# Altium PCB MPPT-old.PcbDoc (continued)
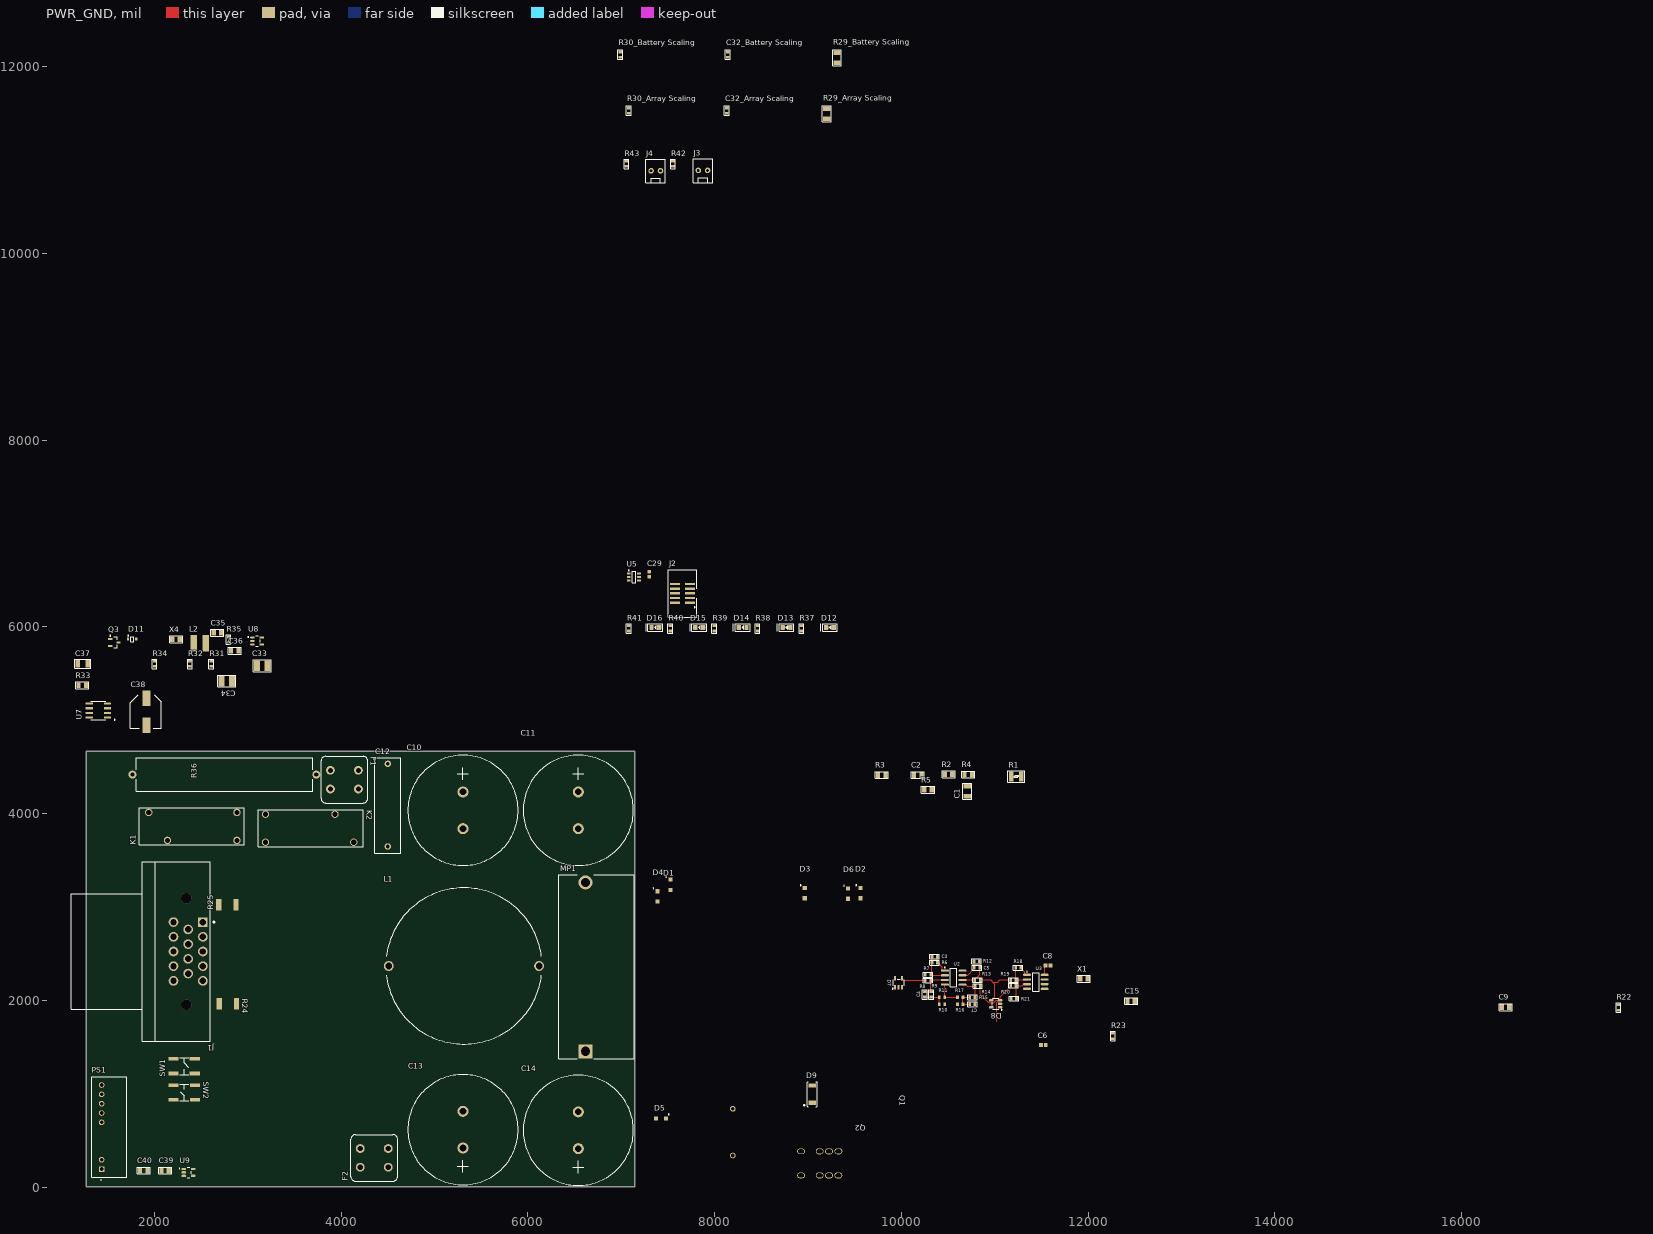
[diagram p0: PWR_GND view]
## Footprints (in the part's own frame and the unit in brackets; to place one, negate y for a bottom-side part, rotate by r counter-clockwise, add the part's x,y. Pads: shape width x height; smd on the part's side, far side on the other; paste and mask are expansions set on the pad)
381LR681M200J032-Footprint-1 [mm]
  round 3 hole 1.8: 1(0,0) 2(10,0)
  silkscreen extent -10,-15 20,15, body extent -10.5,-15.5 20.5,15.5, height 32.1
0603_CAPACITOR [mm] "0603 Capacitor"
  rect 0.7x1 smd: 1(-0.7,0) 2(0.7,0)
  silkscreen extent -1.27,-0.64 1.27,0.64, body extent -0.8,-0.4 0.8,0.4, height 0.3
0603_RESISTOR [mm] "0603 RESISTOR"
  rect 0.7x1 smd: 1(-0.7,0) 2(0.7,0)
  silkscreen extent -1.27,-0.64 1.27,0.64, body extent -0.8,-0.4 0.8,0.4, height 0.3
684MMR400K-Footprint-1 [mm]
  round 1.75 hole 1: 1(0,0) 2(22.5,0)
  silkscreen extent -1.8,-3.5 24.2,3.5, body extent -1.78,-3.56 24.13,3.56, height 16
0805_Capacitor [mil] "0805 Capacitor"
  rect 45x60 smd: 1(-40,0) 2(40,0)
  silkscreen extent -70,-37 70,37, body extent -39,-25 39,25, height 30
0805_LED_Blue [mm] "Chip Capacitor; Body 2.0 x 1.2 mm (LxW typ)"
  rrect25% 1.2x1.3 smd: 1(1.05,0) 2(-1.05,0)
  silkscreen extent -2.5,-1 2,1, body extent -1.02,-0.64 0.99,0.61, height 0.79
0805_LED_Green [mm] "Chip Capacitor; Body 2.0 x 1.2 mm (LxW typ)"
  rrect25% 1.2x1.3 smd: 1(1.05,0) 2(-1.05,0)
  silkscreen extent -2.5,-1 2,1, body extent -1.02,-0.64 0.99,0.61, height 0.79
0805_LED_Red [mm] "Chip Capacitor; Body 2.0 x 1.2 mm (LxW typ)"
  rrect25% 1.2x1.3 smd: 1(1.05,0) 2(-1.05,0)
  silkscreen extent -2.5,-1 2,1, body extent -1.02,-0.64 0.99,0.61, height 0.79
0805_LED_Yellow [mm] "Chip Capacitor; Body 2.0 x 1.2 mm (LxW typ)"
  rrect25% 1.2x1.3 smd: 1(1.05,0) 2(-1.05,0)
  silkscreen extent -2.5,-1 2,1, body extent -1.02,-0.64 0.99,0.61, height 0.79
0805_Resistor [mil] "0805 Resistor"
  rect 45x60 smd: 1(-40,0) 2(40,0)
  silkscreen extent -70,-37 70,37, body extent -39,-25 39,25, height 31
1206_CAPACITOR [mm] "1206 Resistor/Capacitor"
  rect 1.25x2 smd: 1(-1.375,0) 2(1.375,0)
  silkscreen extent -2.2,-1.2 2.2,1.2, body extent -1.6,-0.8 1.6,0.8, height 1
1206_RESISTOR [mm] "1206 Resistor"
  rect 1.25x2 smd: 1(-1.375,0) 2(1.375,0)
  silkscreen extent -2.2,-1.2 2.2,1.2, body extent -1.6,-0.8 1.6,0.8, height 1
1210_Capacitor [mil] "1210 Capacitor"
  rect 65x110 smd: 1(-55,0) 2(55,0)
  silkscreen extent -95,-62 95,62, body extent -84,-54 82,52, height 36
1210_Resistor [mm] "1210 Resistor"
  rrect25% 1.25x2.8 smd: 1(-1.397,0) 2(1.397,0)
  silkscreen extent -2.29,-1.57 2.29,1.57, body extent -1.55,-1.3 1.55,1.3, height 0.47
3221-10-0300-00-Footprint-1 [mm]
  rect 0.65x2.76 smd: 1(0,0) 2(0,4.04) 3(1.27,0) 4(1.27,4.04) 5(2.54,0) 6(2.54,4.04) 7(3.81,0) 8(3.81,4.04) 9(5.08,0) 10(5.08,4.04)
  silkscreen extent -3.94,-1.91 9.02,5.84, body extent -3.78,-0.73 8.86,4.77, height 5.63
640454-2 [mil]
  round 60 hole 30: 1(-50,0) 2(50,0)
  silkscreen extent -105,-130 104,122, body extent -100,-128 100,122, height 421
A768KE227M1DLAS029-Footprint-1 [mm]
  rect 4.2x2.2 smd: 1(7.3,0) 2(0,0)
  silkscreen extent -0.89,-4.06 8.25,4.45, body extent -0.92,-4.06 8.28,4.44, height 7
ABLS-8.000MHZ-K4T-Footprint-1 [mil]
  rect 220x83 smd: 1(0,0) 2(374,0)
  silkscreen extent -48,-105 422,105, body extent -63,-92 437,92, height 160
ADI-R-8_N [mm] "SOIC, 8-Leads, Body 4.9x3.9mm, Pitch 1.27mm, IPC Medium Density"
  oval 2.2x0.6 smd: 1(-2.4,1.905) 2(-2.4,0.635) 3(-2.4,-0.635) 4(-2.4,-1.905) 5(2.4,-1.905) 6(2.4,-0.635) 7(2.4,0.635) 8(2.4,1.905)
  silkscreen extent -2.52,-2.5 0.9,2.88, body extent -2,-2.5 2,2.5, height 1.75
CAPC1608X90X40ML10T20 [mm] "Chip Capacitor, 2-Leads, Body 1.70x0.90mm, IPC Low Density"
  rect 1.05x1.05 smd: 1(-0.675,0) 2(0.675,0)
  body extent -0.85,-0.45 0.85,0.45, height 0.9
CONV_PRQ3W-Q48-D55-S [mm]
  rect 1.508x1.508 hole 1: 1(-11.45,2.05)
  round 1.508 hole 1: 2(-8.91,2.05) 6(1.25,2.05) 7(3.79,2.05) 8(6.33,2.05) 9(8.87,2.05) 10(11.41,2.05)
  silkscreen extent -14.5,-4.75 13.7,4.75
ESDA6V1-5SC6Y [mm] "SOT23, 6-Leads, Body 2.93x2.80mm, Pitch 0.95mm, IPC Medium Density"
  rect 1x0.6 smd: 1(-1.375,0.95) 2(-1.375,0) 3(-1.375,-0.95) 4(1.375,-0.95) 5(1.375,0) 6(1.375,0.95)
  silkscreen extent -1.5,-1.55 0.5,1.92, body extent -1.5,-1.53 1.5,1.53, height 1.45
F_FPG4 [mm] "Schurter FPG4 Fuse Holder"
  round 2.4 hole 1.4: 1(-2.54,3.81) 1(2.54,3.81) 2(-2.54,-3.81) 2(2.54,-3.81)
  silkscreen extent -6.35,-6.35 6.35,6.35, body extent -6.25,-6.25 6.25,6.25, height 32.61
FP-C247-050-2AE-MFG [mm]
  rect 3.8x3.8 hole 2.5 paste-1000 mask+0: 1(-22.97,2.995)
  round 3.8 hole 2.5 paste-1000 mask+0: 2(22.97,2.995)
  silkscreen extent -25,-10.24 25,10.24, body extent -25.1,-10.34 25.1,10.34, height 0.25
FP-RI-16-2-IPC_C [mil]
  rect 75.73x20.74 smd paste+0 mask+0: 1(-175.82,175)
  rrect100% 75.73x20.74 smd paste+0 mask+0: 2(-175.82,125) 3(-175.82,75) 4(-175.82,25) 5(-175.82,-25) 6(-175.82,-75) 7(-175.82,-125) 8(-175.82,-175) 9(175.82,-175) 10(175.82,-125) 11(175.82,-75) 12(175.82,-25) 13(175.82,25) 14(175.82,75) 15(175.82,125) 16(175.82,175)
  silkscreen extent -238,-252 118,252
IND_ATCA-08-471M-H [mm]
  round 2.7 hole 1.8: 1(-20.45,0) 2(20.45,0)
  silkscreen extent -21.09,-21.25 21.09,21.25, body extent -21.25,-21.25 21.25,21.25, height 21.5
J117F1AS12VDC-Footprint-1 [mm]
  round 2 hole 1.4: 1(0,7.62) 2(0,0) 3(23.98,0) 4(18.9,7.62)
  silkscreen extent -2,-1.25 26.62,8.87, body extent -1.99,-1.26 26.61,8.84, height 12.65
ONSC-SOD-323-2-477-02_V [mm] "SOD, 2-Leads, Body 1.7x1.25mm"
  rect 0.63x0.83 smd: 1(-1.115,0) 2(1.115,0)
  silkscreen extent -1.24,-0.67 0.4,1.09, body extent -0.85,-0.63 0.85,0.63, height 1.06
PMEG4010ER,115-Footprint-1 [mm]
  rect 1.1x1.1 smd: 1(2.8,0) 2(0,0)
  silkscreen extent 3.43,1.02 3.68,1.27, body extent -0.35,-1.09 3.15,0.91, height 1.05
R_Res_Axial_SQP_THRU [mm]
  round 2.2 hole 1.2: 1(-25,0) 2(25,0)
  silkscreen extent -24,-4.5 24,4.5, body extent -24.9,-4.5 24.9,4.5, height 10.55
RESC1608X55X25ML10T15 [mm] "Chip Resistor, 2-Leads, Body 1.70x0.90mm, IPC Low Density"
  rect 0.8x1 smd: 1(-0.75,0) 2(0.75,0)
  body extent -0.85,-0.45 0.85,0.45, height 0.55
SMB6F170AY-Footprint-1 [mm]
  rect 1.2x2.07 smd: 1(0,0) 2(4.64,0)
  silkscreen extent -1.14,-1.4 5.71,2.34, body extent 0.7,-1.13 3.94,1.13, height 1.1
SOIC127P600X175-8N [mm]
  rrect25% 1.97x0.59 smd: 1(-2.475,1.905) 2(-2.475,0.635) 3(-2.475,-0.635) 4(-2.475,-1.905) 5(2.475,-1.905) 6(2.475,-0.635) 7(2.475,0.635) 8(2.475,1.905)
  silkscreen extent -4.54,-2.52 2,2.59
SOIC127P1030X265-16N [mm] "SOIC, 16-Leads, Body 10.30x7.50mm, Pitch 1.27mm, IPC Medium Density"
  oval 1.9x0.6 smd: 1(-4.75,4.445) 2(-4.75,3.175) 3(-4.75,1.905) 4(-4.75,0.635) 5(-4.75,-0.635) 6(-4.75,-1.905) 7(-4.75,-3.175) 8(-4.75,-4.445) 9(4.75,-4.445) 10(4.75,-3.175) 11(4.75,-1.905) 12(4.75,-0.635) 13(4.75,0.635) 14(4.75,1.905) 15(4.75,3.175) 16(4.75,4.445)
  silkscreen extent -4.87,-5.25 3.4,5.42, body extent -5.16,-5.25 5.16,5.25, height 2.65
SOT23-3 [mm] "SOT23, 3-Leads, Body 3.0x2.7mm (max), Pitch 0.95mm, IPC Medium Density"
  rrect50% 1.4x0.6 smd: 1(-1.05,0.95) 2(-1.05,-0.95) 3(1.05,0)
  silkscreen extent -1.22,-1.5 0.76,1.73, body extent -1.21,-1.1 0.99,1.1, height 1.1
SOT23-5 [mm] "SOT23-5 (SOT-25) 0.95mm pitch, 5 pins"
  rrect50% 1.2x0.6 smd: 1(-1.2,0.95) 2(-1.2,0) 3(-1.2,-0.95) 4(1.2,-0.95) 5(1.2,0.95)
  silkscreen extent -1.72,-1.5 0.9,1.72, body extent -1.25,-1.5 1.25,1.5, height 1.11
SOT95P280X145-5N [mm]
  rrect50% 1.21x0.59 smd: 1(-1.255,0.95) 2(-1.255,0) 3(-1.255,-0.95) 4(1.255,-0.95) 5(1.255,0.95)
  silkscreen extent -2.51,-1.45 0.8,1.45
SOT-23_N [mm] "SOT23, 3-Leads, Body 2.9x1.3mm, Pitch 0.95mm, Lead Span 2.3mm, IPC Medium Density"
  rect 1.15x0.6 smd: 1(-1.125,0.95) 2(-1.125,-0.95) 3(1.125,0)
  silkscreen extent -1.25,-1.5 0.7,1.92, body extent -0.7,-1.5 0.7,1.5, height 1.11
"T_TO_247_4L_UNITEDSIC - Cloned" [mil] "T_TO_247_4L_UNITEDSIC No heatsink"
  oval 82x62 hole 42 slot 62 at 0 deg: 1(0,0)
  oval 84x64 hole 42 slot 62 at 0 deg: 2(200,0) 3(300,0) 4(400,0)
  body extent -115,-87 513,110, height 990
TACT_SWITCH_6x6_J-LEAD [mm] "SWITCH TACTILE SPST-NO"
  rect 2.8x1 smd: 1(-2.9,2) 2(-2.9,-2) 3(2.9,-2) 4(2.9,2)
  silkscreen extent -1.25,-2.29 1.25,2.29, body extent -3.4,-3.1 3.4,3.1, height 3.48
TE_776266-1 [mm]
  rect 2.625x2.625 hole 1.75: 1(-8,4)
  round 2.625 hole 1.75: 2(-4,4) 3(0,4) 4(4,4) 5(8,4) 6(-6,0) 7(-2,0) 8(2,0) 9(6,0) 10(-8,-4) 11(-4,-4) 12(0,-4) 13(4,-4) 14(8,-4)
  round 2.85 hole 2.85 unplated: ""(-14.5,-0.5) ""(14.5,-0.5)
  silkscreen extent -24.4,-31.85 24.4,7.2, body extent -24.53,-31.7 24.27,6.1, height 27.85
"TEST POINT 0.040\" BLACK" [mil]
  round 60 hole 40: 0(0,0)
  body extent -62,-62 63,62, height 320
"TEST POINT 0.040\" WHITE" [mil]
  round 60 hole 40: 0(0,0)
  body extent -62,-62 63,62, height 320
TSQFP50P1600X1600X160-100N [mm] "TSQFP, 100-Leads, Body 14.00x14.00mm, Pitch 0.50mm, IPC Medium Density"
  oval 1.45x0.3 smd: 1(-7.725,6) 2(-7.725,5.5) 3(-7.725,5) 4(-7.725,4.5) 5(-7.725,4) 6(-7.725,3.5) 7(-7.725,3) 8(-7.725,2.5) 9(-7.725,2) 10(-7.725,1.5) 11(-7.725,1) 12(-7.725,0.5) 13(-7.725,0) 14(-7.725,-0.5) 15(-7.725,-1) 16(-7.725,-1.5) 17(-7.725,-2) 18(-7.725,-2.5) 19(-7.725,-3) 20(-7.725,-3.5) 21(-7.725,-4) 22(-7.725,-4.5) 23(-7.725,-5) 24(-7.725,-5.5) 25(-7.725,-6) 51(7.725,-6) 52(7.725,-5.5) 53(7.725,-5) 54(7.725,-4.5) 55(7.725,-4) 56(7.725,-3.5) 57(7.725,-3) 58(7.725,-2.5) 59(7.725,-2) 60(7.725,-1.5) 61(7.725,-1) 62(7.725,-0.5) 63(7.725,0) 64(7.725,0.5) 65(7.725,1) 66(7.725,1.5) 67(7.725,2) 68(7.725,2.5) 69(7.725,3) 70(7.725,3.5) 71(7.725,4) 72(7.725,4.5) 73(7.725,5) 74(7.725,5.5) 75(7.725,6)
  oval 0.3x1.45 smd: 26(-6,-7.725) 27(-5.5,-7.725) 28(-5,-7.725) 29(-4.5,-7.725) 30(-4,-7.725) 31(-3.5,-7.725) 32(-3,-7.725) 33(-2.5,-7.725) 34(-2,-7.725) 35(-1.5,-7.725) 36(-1,-7.725) 37(-0.5,-7.725) 38(0,-7.725) 39(0.5,-7.725) 40(1,-7.725) 41(1.5,-7.725) 42(2,-7.725) 43(2.5,-7.725) 44(3,-7.725) 45(3.5,-7.725) 46(4,-7.725) 47(4.5,-7.725) 48(5,-7.725) 49(5.5,-7.725) 50(6,-7.725) 76(6,7.725) 77(5.5,7.725) 78(5,7.725) 79(4.5,7.725) 80(4,7.725) 81(3.5,7.725) 82(3,7.725) 83(2.5,7.725) 84(2,7.725) 85(1.5,7.725) 86(1,7.725) 87(0.5,7.725) 88(0,7.725) 89(-0.5,7.725) 90(-1,7.725) 91(-1.5,7.725) 92(-2,7.725) 93(-2.5,7.725) 94(-3,7.725) 95(-3.5,7.725) 96(-4,7.725) 97(-4.5,7.725) 98(-5,7.725) 99(-5.5,7.725) 100(-6,7.725)
  silkscreen extent -7.85,-6.6 6.6,6.82, body extent -8,-8 8,8, height 1.6
WE-PD2-S [mm] "SMD Inductor, 2-Leads, Body 4.5 x 4.0 mm"
  rect 1.75x4.5 smd: 1(-1.625,0) 2(1.625,0)
  body extent -2.23,-2 2.23,2, height 3.17
WSLT2010R0100FEB18-Footprint-1 [mm]
  rect 1.4x3.05 smd: 1(0,0) 2(4.7,0)
  body extent -0.09,-1.25 4.91,1.25, height 0.6
X_2.1mm_RADIAL_CRYSTAL [mm] "2.1mm radial crystal"
  rect 6x2.5 smd: 0(0,0)
  rect 2.5x1 smd: 1(5.75,-1.25) 2(5.75,1.25)
  body extent -2.5,-1.4 6.5,1.4, height 2

## Part data
C1: library part CMP-001-00124-1, "Ceramic Capacitor, Multilayer, Ceramic, 50V, 10% +Tol, 10% -Tol, X7R, 15% TC, 0.33uF, Surface Mount, 1206", Capacitor Type=Ceramic, Case/Package=1206, Max Operating Temperature=125°C, Min Operating Temperature=-55°C, Tolerance=10%, Voltage Rating=50V, Mounting Technology=SMD, Pins=2
C2 C35 C36 C39 C40: library part CMP-001-00098-1, Capacitor Type=Ceramic, Case/Package=0805, Tolerance=10%, Voltage Rating=50V, Mounting Technology=SMT
C3 C4 C5 C7: library part CMP-001-00120-2, "Ceramic Capacitor, Multilayer, Ceramic, 50V, 10% +Tol, 10% -Tol, X7R, 15% TC, 0.00082uF, Surface Mount, 0603", Capacitor Type=Ceramic, Case/Package=0603, Max Operating Temperature=125°C, Min Operating Temperature=-55°C, Tolerance=10%, Voltage Rating=50V, Mounting Technology=SMD
C6 C8 C16 C17 C18 C19 C20 C21 C22 C23 C24 C29 C30 C31: library part CMP-001-00017-10, "Chip Capacitor, 0.1uF, +/- 10%, 50 V, 0603 (1608 Metric)", Capacitor Type=Ceramic, Case/Package=0603, Max Operating Temperature=125°C, Min Operating Temperature=-55°C, Tolerance=10%, Voltage Rating=50V, Mounting Technology=SMT, Pins=2
C9 C15: library part CMP-001-00128-1, "Ceramic Capacitor, Multilayer, Ceramic, 200V, 10% +Tol, 10% -Tol, X7R, -/+15ppm/Cel TC, 0.00068uF, 0805", Capacitor Type=Ceramic, Case/Package=0805, Max Operating Temperature=125°C, Min Operating Temperature=-55°C, Tolerance=10%, Voltage Rating=200V, Mounting Technology=SMD, Pins=2
C10 C11 C13 C14: library part CMP-001-00126-3, "Aluminum Electrolytic Capacitor, Polarized, Aluminum (wet), 200V, 20% +Tol, 20% -Tol, 680uF, Through Hole Mount", Capacitor Type=Aluminium, Case/Package=Can, Max Operating Temperature=105°C, Min Operating Temperature=-40°C, Ripple Current=2.42A, Ripple Current (AC)=3.45A, Tolerance=20%, Voltage Rating=200V, Mounting Technology=TH, Pins=2
C12: library part CMP-001-00127-2, "Film Capacitor, Polyester, 400V, 10% +Tol, 10% -Tol, 0.68uF, Through Hole Mount", Capacitor Type=FILM, Case/Package=Bulk, Max Operating Temperature=85°C, Min Operating Temperature=-55°C, Tolerance=10%, Voltage Rating=200V, Mounting Technology=TH, Pins=2
C25 C26: library part CMP-001-00107-1, "Capacitor 12pF Ceramic 0603 50V 10%", Capacitor Type=Ceramic, Case/Package=0603, Tolerance=10%, Voltage Rating=50V, Mounting Technology=SM
C27 C28: library part CMP-001-00108-2, "Capacitor 18pF ceramic 0603 10% 50V", Capacitor Type=Ceramic, Case/Package=0603, Tolerance=10%, Voltage Rating=50V, Mounting Technology=SM
"C32_Array Scaling" "C32_Battery Scaling": library part CMP-001-00121-1, "Ceramic Capacitor, Multilayer, Ceramic, 50V, 5% +Tol, 5% -Tol, C0G, 30ppm/Cel TC, 0.000013uF, Surface Mount, 0603", Capacitor Type=Ceramic, Case/Package=0603, Max Operating Temperature=125°C, Min Operating Temperature=-55°C, Tolerance=5%, Voltage Rating=50V, Mounting Technology=SMD
C33 C34: library part CMP-001-00112-1, Capacitor Type=Ceramic, Case/Package=1210, Tolerance=10%, Voltage Rating=6.3V, Mounting Technology=SM
C37: library part CMP-001-00123-1, "Ceramic Capacitor, Multilayer, Ceramic, 10V, 20% +Tol, 20% -Tol, X5R, 15% TC, 47uF, Surface Mount, 1206", Capacitor Type=Ceramic, Case/Package=1206, Max Operating Temperature=85°C, Min Operating Temperature=-55°C, Tolerance=20%, Voltage Rating=10V, Mounting Technology=SMD, Pins=2
C38: library part CMP-001-00125-1, "Aluminum Electrolytic Capacitor, Polarized, 20V, 20% +Tol, 20% -Tol, 220uF, Surface Mount, 3333", Capacitor Type=Polymer, Case/Package=Radial, Max Operating Temperature=125°C, Min Operating Temperature=-55°C, Ripple Current=80A, Ripple Current (AC)=1.6A, Tolerance=20%, Voltage Rating=20V, Mounting Technology=SMD, Pins=2
D1 D2 D3 D4 D5 D6: library part CMP-004-00045-1, "Rectifier Diode, Schottky, 1 Phase, 1 Element, 1A, 40V V(RRM), Silicon", Case/Package=SOD-123W, Forward Current=1A, Forward Voltage=490mV, Max Operating Temperature=150°C, Max Surge Current=40A, Peak Inverse Voltage=40V, Mounting Technology=SMD, Pins=2, RoHS Compliant=Yes
D7 D8: library part CMP-004-00043-2, "Trans Voltage Suppressor Diode, Unidirectional, 1 Element, Silicon", Case/Package=SOT-25, Forward Current=1A, Max Operating Temperature=150°C, Max Surge Current=8A, Min Operating Temperature=-65°C, Peak Inverse Voltage=10V, Mounting Technology=SMD, Pins=4, RoHS Compliant=Yes
D9: library part CMP-004-00044-1, "TVS Diodes / ESD Suppressors Automotive 600 W, 170 V TVS in SMB Flat", Case/Package=SMBflat, Max Operating Temperature=175°C, Max Surge Current=2.2A, Min Operating Temperature=-55°C, Peak Inverse Voltage=170V, Mounting Technology=SMD, Pins=2, RoHS Compliant=Yes
D10: library part CMP-004-00032-1, "ESD Suppressor TVS 24V Automotive 3-Pin SOT-23 T/R", Breakdown Voltage=27V, Capacitance=30pF, Case/Package=SOT-23, Clamping Voltage=43V, Leakage Current=100nA, Max Operating Temperature=150°C, Max Power Dissipation=230W, Min Breakdown Voltage=26.2V, Min Operating Temperature=-40°C, Package Quantity=1, Peak Pulse Current=5.5A, Power Line Protection=No, Resistor Type=Zener, Reverse Standoff Voltage=24V, Depth=1.3mm, Diode Type=ZENER, Direction=Bidirectional, Element Configuration=Dual, ESD Protection=Yes, Height=1.4mm, Lead Free="Lead Free", Length=2.9mm, Max Reverse Leakage Current=100nA, Mount="Surface Mount", Number of Bidirectional Channels=2, Number of Channels=2, Number of Pins=3, Packaging="Tape and Reel", Peak Pulse Power=230W, Polarity=Bidirectional, Radiation Hardening=No, REACH SVHC="No SVHC", RoHS Compliant=Yes, Series="Automotive, AEC-Q101, ESDCAY, TRANSIL™", Termination=SMD/SMT, Width=1.75mm, Working Voltage=24V
D11: library part CMP-004-00041-1, "Rectifier Diode, Schottky, 1 Phase, 1 Element, 0.25A, 40V V(RRM), Silicon", Case/Package="SC-76, SOD-323", Forward Current=250mA, Forward Voltage=590mV, Max Operating Temperature=150°C, Min Operating Temperature=-55°C, Peak Inverse Voltage=40V, Mounting Technology=SMD, Pins=2, RoHS Compliant=Yes
D12: library part CMP-151-000020-1, "LED 2X1.2MM 470NM BL WTR CLR SMD", Current=20mA, Forward Voltage=3.3, Manufacturer=Kingbright, Manufacturer PN=APT2012QBC/D, Package=0805, Design Item ID=D_LED_0805_BLUE, Source=diode.SchLib, Supplier PN=754-1437-1-ND, SVP Creator="Jonathan Nutzmann"
D13: library part CMP-151-000016-4, "LED CHIPLED 645NM RED DIFF 0805", Current=20mA, Forward Voltage=1.8V, Manufacturer="OSRAM Opto Semiconductors Inc", Manufacturer PN="LH R974-LP-1", Package=0805, Design Item ID=D_LED_0805_RED, Source=diode.SchLib, SVP Creator="Jonathan Nutzmann"
D14: library part CMP-151-000025-2, "LED CHIPLED 570NM GREEN 0805 SMD", Current=20mA, Forward Voltage=2.2V, Manufacturer="Osram Opto Semiconductors Inc", Manufacturer PN="LG R971-KN-1-0-20-R18", Package=0805, Design Item ID=D_LED_0805_GREEN, Source=diode.SchLib, Supplier PN=475-1410-1-ND, SVP Creator="Nate Bolyard"
D15 D16: library part CMP-151-000028-1, "LED 595NM AMBER DIFF SMD 0805", Current=20mA, Forward Voltage=1.9, Manufacturer="Avago Technologies US Inc.", Manufacturer PN=HSMA-C170, Package=0805, Design Item ID=D_LED_0805_YELLOW, Source=diode.SchLib, Supplier PN=516-1431-1-ND, SVP Creator="Jonathan Nutzmann"
F1 F2: library part CMP-047-000004-2, "Fuse Holder 16A 500V 1 Circuit Cartridge PCB", Manufacturer=Schurter, Manufacturer Part Number=3101.0040, Max Current=16A, Max Operating Temperature=85°C, Min Operating Temperature=-40°C, Power Dissipation=2.5W, Voltage Rating (AC)=400V, Voltage Rating (DC)=250V, Approvals=UL,CSA,VDE,IEC,SEMKO, Body Material=Thermoplastic, Design Item ID=F_3101.0040, Source=misc.SchLib
J1: library part CMP-002-00127-2, "AMPSEAL 14 Position 4 mm Pitch Triple Row Wire to Board Right Angle Header", Case/Package=None, Availability=Unavailable, Component Type=Standard, Design Item ID=776266-1, EU_RoHS_Compliance=Compliant, MF="TE Connectivity", MP=776266-1, Pins=14, Price=None, SnapEDA_Link=https://www.snapeda.com/parts/776266-1/TE%20Connectivity%20AMP%20Connectors/view-part/1467220/?ref=snap, Source=SnapEDAsch.SchLib, TE_purchase_URL=https://www.te.com/usa-en/product-776266-1.html?te_bu=Cor&te_type=disp&te_campaign=seda_glo_cor-seda-global-disp-prtnr-fy19-seda-model-bom-cta_sma-317_1&elqCampaignId=32493
J2: library part CMP-002-00077-1, "JTAG STLINK CONN HEADER SMD 10POS 1.27MM"
J3 J4: library part CMP-009-000000-4, "2 Positions Header, Unshrouded Connector 0.100\" (2.54mm) Through Hole Tin", Max Current Rating=2A, Gender=Male, Mounting Technology=TH, Pins=2
K1 K2: library part CMP-008-00017-1, "SPST NO (1 Form A)12V Relay", Current Rating=10A, Max Operating Temperature=125°C, Min Operating Temperature=-55°C, Contact Form=SPST, Mounting Technology=TH, Operate Time=10ms, Pins=4, RoHS Compliant=yes
L1: library part CMP-006-00025-4, "Torodial 470uH inductor Through hole", Case/Package=torodial, Current Rating=7A, Max Operating Temperature=-40°C, Min Operating Temperature=105°C, Tolerance=20%, Max Current Rating=7A, Mounting Technology=TH, Pins=2, RoHS Compliant=Yes
L2: library part CMP-006-00024-1, "General Purpose Inductor, 22uH, 20%, 1 Element, Nickel-zinc Ferrite-Core, SMD, 1816", Current Rating=1A, Max Current Rating=1.2A, Max Operating Temperature=125°C, Min Operating Temperature=-40°C, Self Resonant Frequency=20MHz, Tolerance=20%, Mounting Technology=SMD, Pins=2, RoHS Compliant=Yes
MP1: library part CMP-00028-00008-1, "Heat Sink 2 TO-247 components", Mounting Technology=TH, Pins=2, RoHS Compliant=Yes
PS1: library part CMP-00015-3, "3 W, 4:1 Input Range, Dual Regulated Output, SIP, 3000 Vdc Isolation, Dc-Dc Converter", Case/Package=SIP, Frequency=300kHz, Max Operating Temperature=85°C, Max Supply Voltage=75V, Min Operating Temperature=-40°C, Min Supply Voltage=18V, Output Current=300mA, Output Voltage=5V, Mounting Technology=TH, Pins=7, RoHS Compliant=Yes
Q1 Q2: library part CMP-013-00040-2, "750V/6MOHM, Sic, Stacked Cascode", Case/Package="TO247 4L", Manufacturer=UnitedSiC, Manufacturer Part Number=UF3SC065007K4S, Heatsink PN=RA-T2X-51E, Last Updated=4-16-2021, Mounting Technology=TH, Nominal Vgs=15V, Pins=4, RoHS Compliant=Yes, Transistor Type=SIC, Vgs (Max)=20V
Q3 Q4 Q5: library part CMP-062-000014-2, "Small Signal Field-Effect Transistor, 1.5A I(D), 30V, 1-Element, N-Channel, Silicon, Metal-oxide Semiconductor FET, TO-236", Case/Package=SOT23, Max Operating Temperature=150°C, PackageReference=SOT-23, Pins=3, RoHS Compliant=Yes, Vgs(th) (Max) @ Id=1.5A
R1: library part CMP-058-000074-3, "RES SMD 2.7 OHM 5% 1/2W 1210", Case/Package=1210, Max Operating Temperature=155°C, Min Operating Temperature=-55°C, Power=500mW, Tolerance=5%, Voltage Rating=200V, Mounting Technology=SMD, Pins=2
R2 R4: library part "Resistor     0012-1", "Fixed Resistor, Metal Glaze/thick Film, 0.125W, 39ohm, 150V, 5% +/-Tol, 200ppm/Cel, Surface Mount, 0805", Case/Package=0805, Max Operating Temperature=155°C, Min Operating Temperature=-55°C, Power=125mW, Tolerance=5%, Mounting Technology=SMD, RoHS Compliant=Yes
R3 R5: library part "Resistor     0013-1", "Fixed Resistor, Metal Glaze/thick Film, 0.125W, 4.02ohm, 150V, 1% +/-Tol, 100ppm/Cel, Surface Mount, 0805", Case/Package=0805, Max Operating Temperature=155°C, Min Operating Temperature=-55°C, Power=125mW, Tolerance=1%, Mounting Technology=SMD, RoHS Compliant=Yes
R6 R9 R12 R15 R18 R21 R26: library part CMP-058-000032-7, "RES 100K OHM 1/16W 1% 0603 SMD", Case/Package=0603, Power=62.5mW, Tolerance=1%, Mounting Technology=SMD, Pins=2
R7 R8 R13 R14: library part "Resistor     0014-1", "Fixed Resistor, Metal Glaze/thick Film, 0.1W, 2430ohm, 75V, 1% +/-Tol, 100ppm/Cel, Surface Mount, 0603", Case/Package=0603, Max Operating Temperature=155°C, Min Operating Temperature=-55°C, Power=100mW, Tolerance=1%, Voltage Rating=50V, Mounting Technology=SMD, Pins=2, RoHS Compliant=Yes
R10 R11 R16 R17: library part CMP-009-00006-9, "Chip Resistor, 0 Ohm, 0.1 W, -55 to 155 degC, 0603 (1608 Metric)", Case/Package=0603, Max Operating Temperature=155°C, Min Operating Temperature=-55°C, Power=100mW, Tolerance=5%, Voltage Rating=50V, Mounting Technology=SMD, Pins=2, RoHS Compliant=Yes
R19 R20: library part "Resistor     0015-1", "Fixed Resistor, Metal Glaze/thick Film, 0.1W, 4990ohm, 75V, 1% +/-Tol, 100ppm/Cel, Surface Mount, 0603", Case/Package=0603, Max Operating Temperature=155°C, Min Operating Temperature=-55°C, Power=100mW, Tolerance=1%, Mounting Technology=SMD, RoHS Compliant=Yes
R22 R23: library part CMP-058-000004-4, "RES 10 OHM 1/16W 1% 0603 SMD", Case/Package=0603, Power=62.5mW, Tolerance=1%, Mounting Technology=SMD, Pins=2
R24 R25: library part "Resistor     0004-1", "Fixed Resistor, Metal Strip, 1W, 0.01ohm, 1% +/-Tol, 75ppm/Cel, Surface Mount, 2010.                     This part is specifically speced for power sensing in shunt current applications", Case/Package=2010, Max Operating Temperature=150°C, Min Operating Temperature=-50°C, Power=1W, Tolerance=1%, Mounting Technology=SMD, Pins=2, RoHS Compliant=true
R27 R28: library part CMP-058-000007-6, "RES 22 OHM 1/16W 1% 0603 SMD", Case/Package=0603, Power=62.5mW, Tolerance=1%, Mounting Technology=SMD, Pins=2
"R29_Array Scaling" "R29_Battery Scaling": library part "Resistor     0007-1", Case/Package=1206, Max Operating Temperature=155°C, Min Operating Temperature=-55°C, Power=250mW, Tolerance=1%, Mounting Technology=SMD, RoHS Compliant=Yes
"R30_Array Scaling" "R30_Battery Scaling": library part "Resistor     0006-1", "Fixed Resistor, Metal Glaze/thick Film, 0.1W, 4220ohm, 75V, 1% +/-Tol, 100ppm/Cel, Surface Mount, 0603", Case/Package=0603, Max Operating Temperature=155°C, Min Operating Temperature=-55°C, Power=100mW, Tolerance=1%, Mounting Technology=SMD, RoHS Compliant=Yes
R31: library part CMP-058-000052-6, "RES 22.1K OHM 1/16W 1% 0603 SMD", Case/Package=0603, Power=62.5mW, Tolerance=1%, Mounting Technology=SMD, Pins=2
R32: library part CMP-058-000061-5, "RES 6.81K OHM 1/16W 1% 0603 SMD", Case/Package=0603, Power=62.5mW, Tolerance=1%, Mounting Technology=SMD
R33: library part CMP-058-000071-3, "100 mOhms ±1% 0.25W, 1/4W Chip Resistor 0805 (2012 Metric) Current Sense, Moisture Resistant Thick Film", Case/Package=0805, Max Operating Temperature=155°C, Min Operating Temperature=-55°C, Power=250mW, Tolerance=1%, Mounting Technology=SMD, Pins=2
R34: library part "Resistor     0008-1", "Fixed Resistor, Thin Film, 0.1W, 91000ohm, 75V, 1% +/-Tol, 50ppm/Cel, Surface Mount, 0603", Case/Package=0603, Max Operating Temperature=155°C, Min Operating Temperature=-55°C, Power=100mW, Tolerance=1%, Mounting Technology=SMD, RoHS Compliant=Yes
R35 R42 R43: library part CMP-058-000017-6, "RES 10K OHM 1/16W 1% 0603 SMD", Case/Package=0603, Power=62.5mW, Tolerance=1%, Mounting Technology=SMD, Pins=2
R36: library part "Resistor     0016-2", "Fixed Resistor, Wire Wound, 10W, 220ohm, 750V, 5% +/-Tol, 300ppm/Cel, Through Hole Mount", Case/Package=Axial, Max Operating Temperature=155°C, Min Operating Temperature=-55°C, Power=10W, Tolerance=5%, Mounting Technology=TH, Pins=2, RoHS Compliant=Yes
R37 R38 R39 R40 R41: library part CMP-058-000005-5, "RES 1K OHM 1/16W 1% 0603 SMD", Case/Package=0603, Power=62.5mW, Tolerance=1%, Mounting Technology=SMD, Pins=2
SW1 SW2: library part CMP-050-000002-1, "SWITCH TACT 6MM BLACK 160GF", Package="6mm x 6mm", Design Item ID=SW_TACT_SWITCH_6x6, Source=misc.SchLib, SVP Creator="Spencer Berglund"
TP1: library part CMP-054-000001-1, Design Item ID="TEST POINT PC MINI .040\"D BLACK", Source=misc.SchLib
TP2: library part CMP-113-000002-1, Design Item ID="TEST POINT PC MINI .040\"D WHITE", Source=Common.SchLib
U1: library part CMP-00024-00006-1, "Isolated, Half Bridge Gate Driver, Dual Input, 4 A Output"
U2 U3: library part CMP-014-00007-1, "Operational Amplifier, 2 Func, 2100uV Offset-Max, CMOS, PDSO8", Case/Package=8-SOIC, Max Operating Temperature=125°C, Max Supply Voltage=5.5V, Min Operating Temperature=-40°C, Min Supply Voltage=2.7V, Power=150mW, Channels=2, Mounting Technology=SMD, Nominal Gain Bandwidth Product=8.4MHz, Output Type="Single Ended", Pins=8, RoHS Compliant=Yes, Slew Rate=6V/us
U4: library part CMP-00014-6, "RISC Microcontroller, 32-Bit, 170MHz", Case/Package=LQFP100, Frequency=170Hz, Nominal Supply Voltage=3.3V, Interface=JTAG, Mounting Technology=SMD, Pins=100, RAM Size=128, RoHS Compliant=Yes
U5: library part CMP-041-000000-1, "11.4V Clamp 7A (8/20µs) Ipp Tvs Diode Surface Mount SOT-23-6", Manufacturer=STMicroelectronics, Design Item ID=U_ESDA6V1-5SC6Y, Digikey PN=497-17311-6-ND, Source=ic.SchLib
U6: library part CMP-015-00019-2, "MIL-STD-1553 Data Bus Transceiver, PDSO16. Isolated CANFD transceiver", Case/Package=SOIC-16, Max Operating Temperature=125°C, Max Supply Voltage=5.5V, Min Operating Temperature=-45°C, Min Supply Voltage=1.7V, Nominal Supply Voltage=5V, Mounting Technology=SMD, Pins=16, RoHS Compliant=Yes
U7: library part CMP-173-000000-3, "DC/DC boost regulator", Frequency=300kHz, Max Supply Voltage=17V, Min Supply Voltage=2V, Output Current=1A, Output Voltage=15V, Mounting Technology=SMD, Pins=8
U8 U9: library part CMP-171-000000-2, "250mA Ultralow-Noise Low-IQ LDO", Package="SOT-23-5 Texas Instruments", Arrow_Electronics-Purchase-URL=https://snapeda.com/shop?store=Arrow+Electronics&id=379728, Availability=Unavailable, Component Type=Standard, Design Item ID=LP5907MFX-3.0/NOPB, DigiKey-Purchase-URL=https://snapeda.com/shop?store=DigiKey&id=379728, MF="Texas Instruments", Mouser-Purchase-URL=https://snapeda.com/shop?store=Mouser&id=379728, MP=LP5907MFX-3.0/NOPB, Pin Count=5, Price=None, SnapEDA_Link=https://www.snapeda.com/parts/LP5907MFX-3.0/NOPB/Texas%20Instruments/view-part/379728/?ref=snap, Source=LP5907MFX-3.0_NOPB.SchLib, Texas_Instruments-Purchase-URL=https://snapeda.com/shop?store=Texas+Instruments&id=379728
X1 X4: library part CMP-108-000002-3, "FERRITE CHIP BEAD 600 OHM SMD 0805", Case/Package=0805, Manufacturer=TDK, Manufacturer PN=MPZ2012S601AT000, Design Item ID=X_0805_FERRITE, Distributor PN=445-2206-1-ND, Known Distributors=Digikey, Mounting Technology=SMT, Package=0805, Pins=2
X2: library part CMP-046-000002-2, "CRYSTAL 32.7680KHZ 12.5PF SMD", Design Item ID=X_32.768kHz_CRYSTAL, Source=misc.SchLib
X3: library part CMP-003-00030-1, "ABRACON         ABLS-8.000MHZ-K4T             CRYSTAL, 8MHZ, 18PF, HC-49US"

## Nets (pads, with @x,y where several pads share a name; then routed paths per layer and width w, separated by ;. In a path a pad name is that pad's centre, name@x,y a point inside that pad or via, vN(x,y) a via of type N, cw(c..) or ccw(c..) an arc to the next point about the centre after c; other vN are vias at no path point)
+3.3: C16.2 C17.2 C18.2 C19.2 C20.2 C21.2 C22.2 C29.2 C30.2 C39.2 D12.1 D13.1 D14.1 D15.1 D16.1 J2.1 SW1.2 SW1.3 U1.3 U1.8 U4.6 U4.24 U4.36 U4.37 U4.49 U4.63 U4.75 U4.100 U6.1 U9.5
+3.3A: C6.1 C8.1 C35.2 D7.5 D8.5 J3.1 J4.1 U2.8 U3.8 U8.5 | length 103.7
  PWR_GND w10: U3.8 11534.49,2366.06 C8.1
+5: C34.2 C36.2 C37.2 C40.2 L2.1 PS1.9 R31.2 R34.2 U7.2 U8.1 U8.3 U9.1 U9.3
"+5 Car": C31.1 C33.2 PS1.6 U6.16
+15: C2.2 C38.1 D1.2 D11.1 K1.2 K2.1 U1.11
+24: J1.14 PS1.2
AGND: "C32_Array Scaling.1" "C32_Battery Scaling.1" "R30_Array Scaling.1" "R30_Battery Scaling.1" C21.1 C35.1 D7.2 D8.2 R11.1 R17.2 R42.1 R43.1 U1.4 U2.4 U3.4 U4.35 U8.2 X4.2 | length 271.4
  PWR_GND w10: U2.4 10465.51,2035.98 R11.1 R17.2
Array+: "R29_Array Scaling.2" F2.1 J1.4
Array-: D8.3 J1.5 R14.1 R20.1 R24.1 | length 800.5
  PWR_GND w10: R14.1 10845,2066.97 10936.38,1975.59 10989.13,1975.59 11015.94,2002.4 D8.3@11044.94,2002.4 ; 11020,1770 11018.62,1771.38 11018.62,1979.56 11030.87,1991.81 11034.35,1991.81 D8.3@11044.94,2002.4 ; R20.1 11172.44,2154.09 11057.24,2038.9 D8.3 D8.3@11044.94,2002.4
ARRAY_SHUNT: C5.1 R12.2 U2.7 U4.30 | length 236.6
  PWR_GND w10: U2.7 10657.09,2272.61 10710.95,2272.61 10782.44,2344.09 C5.1 10779.94,2352.5 10779.94,2417.5 R12.2
ARRAY_SHUNT_BUFFER_OUT: U4.28 U4.29
ARRAY_SHUNT_UNFILTERED: R18.2 U3.1 U4.38 U4.58 U4.59 | length 115
  PWR_GND w10: R18.2 11277.56,2344.09 11319.02,2302.64 11319.02,2281.29 11325.31,2275 U3.1
BATT_SHUNT: C3.1 R6.2 U2.1 U4.20 | length 196.2
  PWR_GND w10: C3.1 10382.56,2415.23 10439.02,2358.77 10439.02,2326.29 10445.31,2320 U2.1
BATT_SHUNT_BUFFER_OUT: U4.21 U4.22
BOOT0: C23.2 R26.2 SW1.1 SW1.4 U4.95
Bootrstrap: C1.2 R1.1 U1.16
CAN_HIGH: D10.1 J1.10 U6.13
CAN_LOW: D10.2 J1.11 U6.12
CAN_RX: R27.1 U4.72
CAN_TX: R28.1 U4.73
CAR_GND: C31.2 C33.1 D10.3 J1.13 PS1.1 PS1.7 U6.9 U6.10 U6.15
CURRENT_MEASURE_OFFSET: R10.1 R16.2 R21.1 U4.26
DEBUG: TP2.0 U4.27
GND: C6.2 C8.2 C16.1 C17.1 C18.1 C19.1 C20.1 C22.1 C23.1 C24.1 C25.1 C26.1 C27.1 C28.1 C29.1 C30.1 C34.1 C36.1 C37.1 C38.2 C39.1 C40.1 J2.3 J2.5 J2.9 PS1.10 Q3.2 Q4.2 Q5.2 R26.1 R32.1 R33.2 R35.1 SW2.1 SW2.4 TP1.0 U4.23 U4.48 U4.64 U4.74 U4.99 U5.2 U6.2 U6.7 U6.8 U7.4 U7.6 U7.7 U9.2 X1.1 X4.1
JTCK: J2.4 U4.77 U5.4
JTDI: J2.8 U4.78 U5.5
JTDO: J2.6 U4.90 U5.1
JTMS: J2.2 U4.76 U5.3
NetC1_1: C1.1 Q1.3 U1.14
NetC2_1: C2.1 D5.2 Q2.4 U1.9
NetC3_2: C3.2 R6.1 R7.2 U2.2 | length 356.2
  PWR_GND w10: C3.2 R6.1 10327.44,2295.79 10312.56,2280.91 R7.2 10317.56,2270 U2.2
NetC4_1: C4.1 R8.2 R9.2 U2.3 | length 350.5
  PWR_GND w10: C4.1 R9.2 10312.56,2100 R8.2 10317.56,2220 U2.3
NetC4_2: C4.2 R9.1 R10.2 R11.2 | length 231.5
  PWR_GND w10: C4.2 R9.1 10403.03,2037.44 R11.2 R10.2
NetC5_2: C5.2 R12.1 R13.2 U2.6 | length 283.7
  PWR_GND w10: U2.6 R13.2 10787.44,2225.91 10837.56,2276.02 C5.2
NetC7_1: C7.1 R14.2 R15.2 U2.5 | length 337.6
  PWR_GND w10: U2.5 10689.67,2170 10704.67,2155 R14.2 10788.72,2153.84 10788.72,1961.16 C7.1
NetC7_2: C7.2 R15.1 R16.1 R17.1 | length 220.8
  PWR_GND w10: C7.2 R16.1 R17.1 R15.1
NetC9_1: C9.1 L1.2 Q1.2 Q2.1 R23.2
NetC9_2: C9.2 R22.1
NetC10_2: C10.2 C11.2 C12.2 D9.1 F1.1 Q1.1 R22.2
NetC13_2: C13.2 C14.2 F2.2 L1.1
NetC15_2: C15.2 R23.1
NetC24_2: C24.2 SW2.2 SW2.3 U4.14
NetC25_2: C25.2 U4.8 X2.2
NetC26_2: C26.2 U4.9 X2.1
NetC27_2: C27.2 U4.12 X3.2
NetC28_2: C28.2 U4.13 X3.1
"NetC32_Array Scaling_2": "C32_Array Scaling.2" "R29_Array Scaling.1" "R30_Array Scaling.2" U4.32
"NetC32_Battery Scaling_2": "C32_Battery Scaling.2" "R29_Battery Scaling.1" "R30_Battery Scaling.2" U4.25
NetD1_1: D1.1 R1.2
NetD2_1: D2.1 D3.2 Q1.4
NetD2_2: D2.2 R2.2
NetD3_1: D3.1 R3.2
NetD4_1: D4.1 D6.2 Q2.3
NetD4_2: D4.2 R4.2
NetD5_1: D5.1 R4.1 R5.1 U1.10
NetD6_1: D6.1 R5.2
NetD7_4: D7.4 J1.1 R8.1 R25.2 | length 265.9
  PWR_GND w10: D7.4 10007.4,2225.92 10018.32,2215 R8.1
NetD11_2: D11.2 L2.2 Q3.3
NetD12_2: D12.2 R37.2
NetD13_2: D13.2 R38.2
NetD14_2: D14.2 R39.2
NetD15_2: D15.2 R40.2
NetD16_2: D16.2 R41.2
NetF1_2: "R29_Battery Scaling.2" F1.2 K2.3 R36.1
NetJ1_2: J1.2 K1.3 K2.4
NetJ2_10: J2.10 U5.6
NetJ3_2: J3.2 R42.2 U4.42
NetJ4_2: J4.2 R43.2 U4.41
NetK1_1: K1.1 Q4.3
NetK1_4: K1.4 R36.2
NetK2_2: K2.2 Q5.3
NetQ3_1: Q3.1 U7.1
NetQ4_1: Q4.1 U4.61
NetQ5_1: Q5.1 U4.62
NetR2_1: R2.1 R3.1 U1.15
NetR18_1: R18.1 R19.2 U3.2 | length 242.4
  PWR_GND w10: R18.1 11222.44,2234.69 11232.13,2225 U3.2
NetR20_2: R20.2 R21.2 U3.3 | length 266.2
  PWR_GND w10: R21.2 11230.06,2022.5 11230.06,2157.5 R20.2 11295.33,2160 11310.33,2175 U3.3
NetR27_2: R27.2 U6.3
NetR28_2: R28.2 U6.6
NetR31_1: R31.1 R32.2 U7.5
NetR33_1: R33.1 U7.8
NetR34_1: R34.1 R35.2 U7.3
NetR37_1: R37.1 U4.5
NetR38_1: R38.1 U4.4
NetR39_1: R39.1 U4.3
NetR40_1: R40.1 U4.2
NetR41_1: R41.1 U4.1
NetU1_1: U1.1 U4.15
NetU1_2: U1.2 U4.16
NetU1_5: U1.5 U4.17
PWR_GND: C10.1 C11.1 C12.1 C13.1 C14.1 C15.1 D7.3 D8.4 D9.2 Q2.2 R7.1 R13.1 R19.1 R24.2 R25.1 X1.2 | length 566.9
  PWR_GND w10: R13.1 10955,2220 10980,2195 ; D8.4 11000,2039.65 11000,2175 10980,2195 ; R19.1 11055,2220 11030,2195 10980,2195
pads on no net: D7.1 D8.1 J1. J1.3 J1.6 J1.7 J1.8 J1.9 J1.12 J2.7 MP1.1 MP1.2 PS1.8 U1.6 U1.7 U1.12 U1.13 U3.5 U3.6 U3.7 U4.7 U4.10 U4.11 U4.18 U4.19 U4.31 U4.33 U4.34 U4.39 U4.40 U4.43 U4.44 U4.45 U4.46 U4.47 U4.50 U4.51 U4.52 U4.53 U4.54 U4.55 U4.56 U4.57 U4.60 U4.65 U4.66 U4.67 U4.68 U4.69 U4.70 U4.71 U4.79 U4.80 U4.81 U4.82 U4.83 U4.84 U4.85 U4.86 U4.87 U4.88 U4.89 U4.91 U4.92 U4.93 U4.94 U4.96 U4.97 U4.98 U6.4 U6.5 U6.11 U6.14 U8.4 U9.4 X2.0

## Polygon pours and split planes (outlines as drawn)
no net on PWR (split plane): 7124.9,25.1 1290.1,25.1 1290.1,4649.9 7124.9,4649.9

## Silkscreen, mask and mechanical layers (free items; w line width, h text height)
Mechanical 1:
  the board outline again, w10